# Altium PCB XMS0004.PcbDoc (part 3 of 5)
Units mm, origin at the board's own origin, x right, y up, seen from the top; angles counter-clockwise.
Board outline 160 x 130 mm, 4 copper layers (Layer 1 (Top), Layer 2 (GND), Layer 3 (PWR), Layer 4 (Bottom)), stack 1.564 mm thick; 490 components, 328 nets, 1713 pads, 922 vias.
Unrouted connection lines stored in the file: 5.
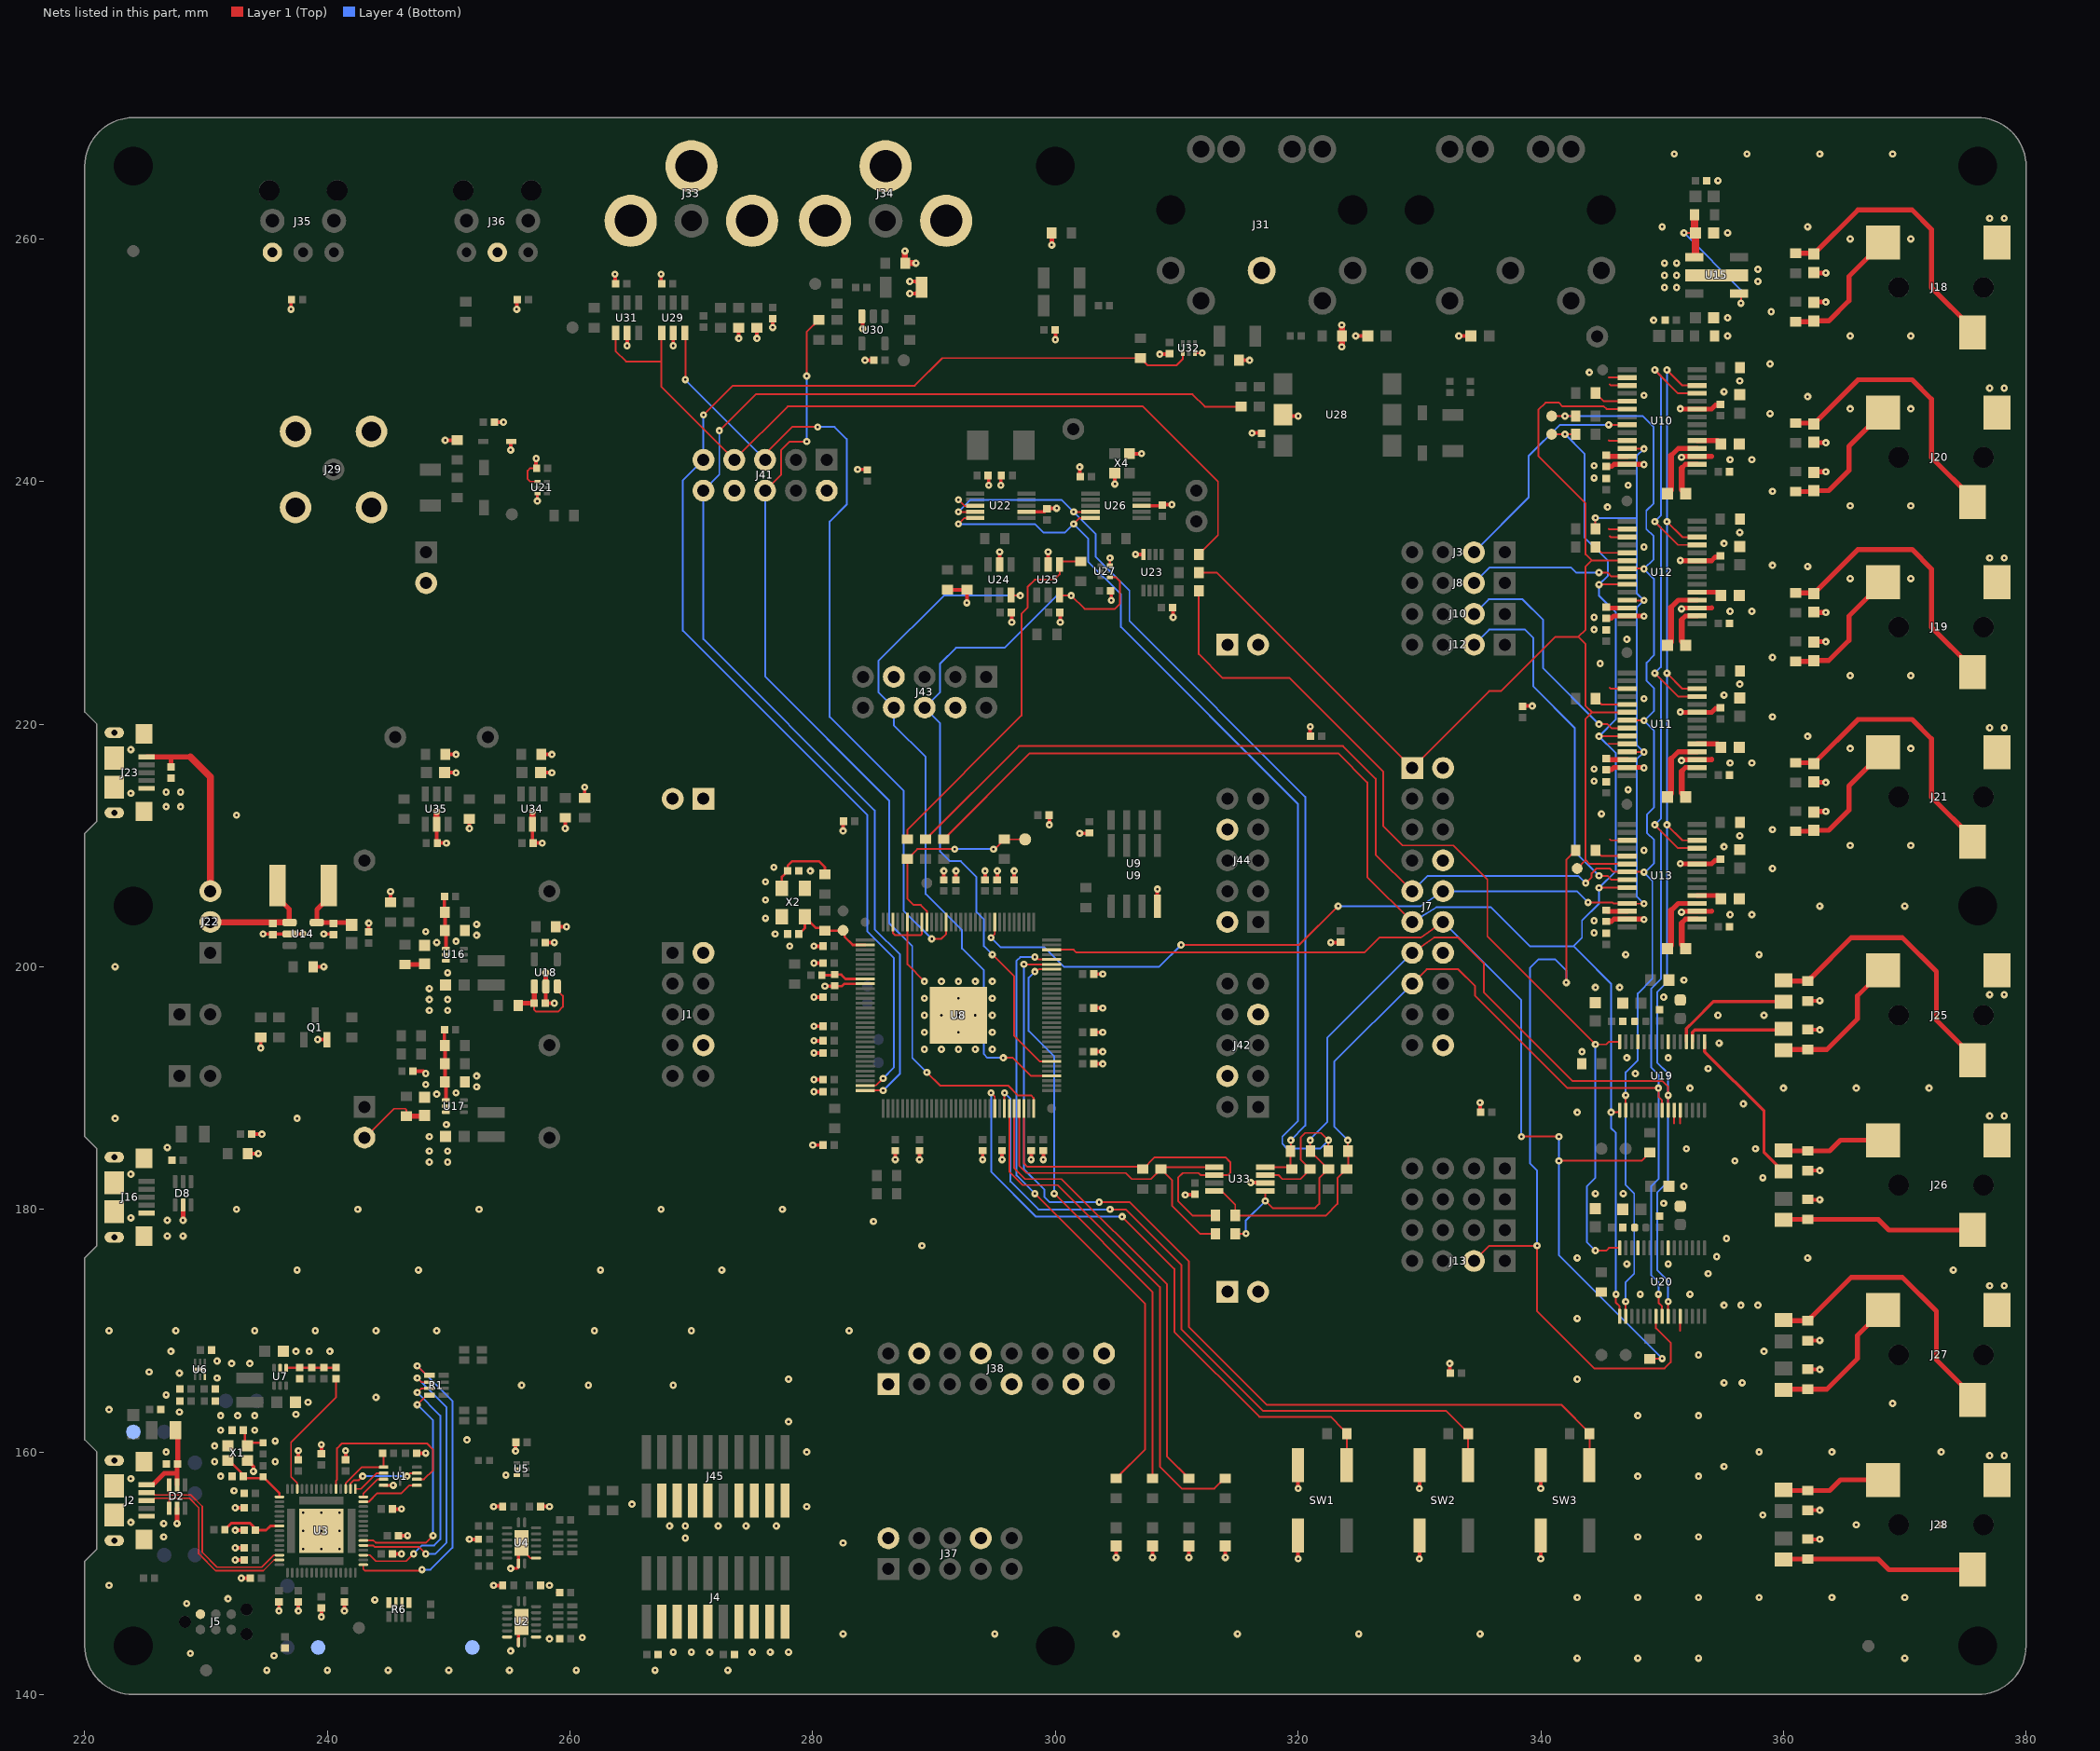
[diagram p5: the nets of this part, all layers, seen from the top]

## Via types
v1: diameter 0.6, hole 0.2, Layer 1 (Top) to Layer 4 (Bottom), 922 vias

## Nets (pads, with @x,y where several pads share a name; then routed paths per layer and width w, separated by ;. In a path a pad name is that pad's centre, name@x,y a point inside that pad or via, vN(x,y) a via of type N, cw(c..) or ccw(c..) an arc to the next point about the centre after c; other vN are vias at no path point) (continued)
ADC_D3: J13.2 R32.2 U20.22 | length 67.6
  Layer 1 (Top) w0.15: J13.2@334.49,175.75 335.74,177 v1(339.7,177) 339.7,171.6 344.4,166.9 350.2,166.9 350.7,167.4 350.7,169 349.5,170.2 U20.22@349.5,171.18 ; v1(342.1,198.7) 342.1,208.82 R32.2@342.88,209.6
  Layer 4 (Bottom) w0.15: v1(339.7,177) 339.7,183.2 339.1,183.8 339.1,199.9 339.8,200.6 341.2,200.6 342.1,199.7 v1(342.1,198.7)
ADC_GPIO: J7.12 R80.1 R86.1 U8.126 | length 87.4
  Layer 1 (Top) w0.15: U8.126@299.68,201.4 301.5,201.4 301.7,201.2 325.5,201.2 326.7,202.4 330.1,202.4 J7.12@331.95,203.69 ; v1(338.4,186) v1(341.5,186) ; v1(341.5,184) 348.32,184 R80.1@349,184.68 R80.1@349.02,184.7 ; R86.1@349,167.68 349.02,167.7 v1(350,167.7)
  Layer 4 (Bottom) w0.15: J7.12@331.95,203.69 338.4,197.24 v1(338.4,186) ; v1(341.5,186) v1(341.5,184) 341.5,176.2 v1(350,167.7)
AIN1: C120.1 J25.2 R78.2 | length 12
  Layer 1 (Top) w0.4: C120.1@360,193.125 360.055,193.18 R78.2@362,193.18 363.58,193.18 366.1,195.7 366.1,197.6 J25.2@368.2,199.7
AIN2: C121.1 J25.3 R79.2 | length 23.8
  Layer 1 (Top) w0.4: C121.1@360,198.875 360.055,198.82 R79.2@362,198.82 362.07,198.82 362.265,199.015 362.265,199.085 365.58,202.4 369.8,202.4 372.6,199.6 372.6,195.6 374.7,193.5 375.6,192.6 J25.3@375.6,192.3
AIN3: C126.1 J26.2 R81.2 | length 8.6
  Layer 1 (Top) w0.4: C126.1@360,184.875 360.055,184.82 R81.2@362,184.82 363.82,184.82 364.7,185.7 J26.2@368.2,185.7
AIN4: C127.1 J26.3 R82.2 | length 16
  Layer 1 (Top) w0.4: C127.1@360,179.125 360.055,179.18 R82.2@362,179.18 367.82,179.18 368.7,178.3 J26.3@375.6,178.3
AIN5: C130.1 J27.2 R84.2 | length 12
  Layer 1 (Top) w0.4: C130.1@360,165.125 360.055,165.18 R84.2@362,165.18 363.58,165.18 366.1,167.7 366.1,169.6 J27.2@368.2,171.7
AIN6: C131.1 J27.3 R85.2 | length 23.8
  Layer 1 (Top) w0.4: C131.1@360,170.875 360.055,170.82 R85.2@362,170.82 362.07,170.82 362.265,171.015 362.265,171.085 365.58,174.4 369.8,174.4 372.6,171.6 372.6,167.6 374.7,165.5 375.6,164.6 J27.3@375.6,164.3
AIN7: C136.1 J28.2 R87.2 | length 8.6
  Layer 1 (Top) w0.4: C136.1@360,156.875 360.055,156.82 R87.2@362,156.82 363.82,156.82 364.7,157.7 J28.2@368.2,157.7
AIN8: C137.1 J28.3 R88.2 | length 16
  Layer 1 (Top) w0.4: C137.1@360,151.125 360.055,151.18 R88.2@362,151.18 367.82,151.18 368.7,150.3 J28.3@375.6,150.3
AOUT1: C65.1 J18.2 R49.2 | length 11.1
  Layer 1 (Top) w0.3: C65.1@362.435,253.18 C65.1@362.5,253.245
  Layer 1 (Top) w0.4: R49.2@361,253.18 C65.1@362.435,253.18 ; C65.1@362.5,253.245 363.745,253.245 365.4,254.9 365.4,256.9 J18.2@368.2,259.7
AOUT2: C66.1 J18.3 R51.2 | length 23.3
  Layer 1 (Top) w0.4: R51.2@361,258.82 362.435,258.82 C66.1@362.5,258.755 366.145,262.4 370.6,262.4 372.2,260.8 372.2,256 375.6,252.6 J18.3@375.6,252.3
AOUT3: C83.1 J20.2 R55.2 | length 11.1
  Layer 1 (Top) w0.3: C83.1@362.435,239.18 C83.1@362.5,239.245
  Layer 1 (Top) w0.4: R55.2@361,239.18 C83.1@362.435,239.18 ; C83.1@362.5,239.245 363.745,239.245 365.4,240.9 365.4,242.9 J20.2@368.2,245.7
AOUT4: C84.1 J20.3 R57.2 | length 23.3
  Layer 1 (Top) w0.4: R57.2@361,244.82 362.435,244.82 C84.1@362.5,244.755 366.145,248.4 370.6,248.4 372.2,246.8 372.2,242 375.6,238.6 J20.3@375.6,238.3
AOUT5: C67.1 J19.2 R50.2 | length 11.1
  Layer 1 (Top) w0.3: C67.1@362.435,225.18 C67.1@362.5,225.245
  Layer 1 (Top) w0.4: R50.2@361,225.18 C67.1@362.435,225.18 ; C67.1@362.5,225.245 363.745,225.245 365.4,226.9 365.4,228.9 J19.2@368.2,231.7
AOUT6: C68.1 J19.3 R52.2 | length 23.3
  Layer 1 (Top) w0.4: R52.2@361,230.82 362.435,230.82 C68.1@362.5,230.755 366.145,234.4 370.6,234.4 372.2,232.8 372.2,228 375.6,224.6 J19.3@375.6,224.3
AOUT7: C85.1 J21.2 R56.2 | length 11.1
  Layer 1 (Top) w0.3: C85.1@362.435,211.18 C85.1@362.5,211.245
  Layer 1 (Top) w0.4: R56.2@361,211.18 C85.1@362.435,211.18 ; C85.1@362.5,211.245 363.745,211.245 365.4,212.9 365.4,214.9 J21.2@368.2,217.7
AOUT8: C86.1 J21.3 R58.2 | length 23.3
  Layer 1 (Top) w0.4: R58.2@361,216.82 362.435,216.82 C86.1@362.5,216.755 366.145,220.4 370.6,220.4 372.2,218.8 372.2,214 375.6,210.6 J21.3@375.6,210.3
BCLK: J7.9 R13.2 R125.1 TP36.1 U11.21 U12.21 U13.21 U19.17 U20.17 | length 164.5
  Layer 1 (Top) w0.15: R13.2@289.3,210.52 296.98,218.2 323.7,218.2 326.4,215.5 326.4,209.24 J7.9@329.41,206.23 ; TP36.1@340.9,245.4 v1(342,245.4) R125.1@342.88,245.4 ; v1(343.7,206.9) 344.2,207.4 344.2,207.7 344.6,208.1 345.7,208.1 345.975,207.825 U13.21@347.12,207.825 348.475,207.825 v1(348.5,207.8) ; U20.17@347,171.18 v1(347,172.4) ; U19.17@347,188.18 v1(347,189.4) ; U11.21@347.12,220.325 348.475,220.325 v1(348.5,220.3) ; U12.21@347.12,232.825 348.475,232.825 v1(348.5,232.8)
  Layer 4 (Bottom) w0.15: J7.9@329.41,206.23 330.68,207.5 343.1,207.5 v1(343.7,206.9) ; v1(342,245.4) 348.4,245.4 349.3,244.5 349.3,238.2 348.7,237.6 348.7,236.1 349.3,235.5 349.3,233.6 v1(348.5,232.8) ; v1(347,172.4) 347,174 347.7,174.7 347.7,181.3 347,182 v1(347,189.4) 347,191.3 348,192.3 348,197.8 349.2,199 349.2,207.1 v1@348.55,207.75 ; v1(348.5,207.8) v1@348.55,207.75 ; v1@348.525,220.275 349.325,221.075 349.325,222.975 348.725,223.575 348.725,225.075 349.325,225.675 349.325,231.975 v1@348.525,232.775 ; v1@348.55,220.25 349.35,219.45 349.35,213.15 348.75,212.55 348.75,211.05 349.35,210.45 349.35,208.55 v1@348.55,207.75
BUT_0: R23.1 SW1.1A U8.88 | length 51.9
  Layer 1 (Top) w0.15: v1(294.7,189.6) 295,189.3 U8.88@295,188.32 ; v1(305.5,179.4) 309.8,175.1 309.8,169.9 316.8,162.9 322.69,162.9 323.7,161.89 324.02,161.57 324.02,158.92 SW1.1A@324,158.9
  Layer 4 (Bottom) w0.15: v1(294.7,189.6) 294.7,183.1 298.4,179.4 v1(305.5,179.4)
BUT_1: R37.1 SW2.1A U8.90 | length 60.9
  Layer 1 (Top) w0.15: U8.90@295.8,188.32 v1(295.8,189.6) ; v1(304.5,180) 305.8,180 310.4,175.4 310.4,170.1 317.1,163.4 332.19,163.4 334.02,161.57 334.02,158.92 SW2.1A@334,158.9
  Layer 4 (Bottom) w0.15: v1(295.8,189.6) 296.3,189.1 296.3,182.3 298.6,180 v1(304.5,180)
BUT_2: R119.1 SW3.1A U8.123 | length 81
  Layer 1 (Top) w0.15: v1(297.4,200.2) U8.123@299.68,200.2 ; v1(303.6,180.6) 306.1,180.6 311,175.7 311,170.3 317.4,163.9 341.69,163.9 344.02,161.57 R119.1@344.02,161.5 344.02,158.92 SW3.1A@344,158.9
  Layer 4 (Bottom) w0.15: v1(297.4,200.2) 297.4,183.3 299.1,181.6 299.1,181 299.5,180.6 v1(303.6,180.6)
COAX_RX: J41.6 R111.2 U8.96 | length 80.8
  Layer 1 (Top) w0.15: J41.6@276.07,239.25 277.4,240.58 277.4,242.6 278.1,243.3 v1(279.5,243.3) ; v1(279.5,248.7) 279.5,252.32 R111.2@280.5,253.32 ; v1(289.4,191.3) 290.5,190.2 296.1,190.2 296.9,189.4 298,189.4 298.2,189.2 U8.96@298.2,188.32 U8.96@298.174,188.346
  Layer 4 (Bottom) w0.15: J41.6@276.07,239.25 276.07,223.93 286.3,213.7 286.3,203.6 288.2,201.7 288.2,192.5 v1(289.4,191.3) ; v1(279.5,243.3) v1(279.5,248.7)
COAX_TX: J41.5 U8.19 U29.3 | length 69.3
  Layer 1 (Top) w0.15: U29.3@269.45,252.245 269.5,252.195 v1(269.5,248.4) ; J41.5@276.07,241.79 276.07,242.27 278.3,244.5 v1(280.4,244.5) ; v1(289.8,202.3) 290.6,202.3 291,202.7 U8.19@291,203.68
  Layer 4 (Bottom) w0.15: v1(269.5,248.4) 269.5,248.36 J41.5@276.07,241.79 ; v1(280.4,244.5) 281.8,244.5 282.8,243.5 282.8,238.1 281.4,236.7 281.4,220.6 287.5,214.5 287.5,204.6 v1(289.8,202.3)
DAC_D0: J3.2 U10.22 | length 19
  Layer 1 (Top) w0.15: v1(345.6,244.675) U10.22@347.12,244.675
  Layer 4 (Bottom) w0.15: J3.2@334.49,234.17 339,238.68 339,242.1 341.575,244.675 v1(345.6,244.675)
DAC_D1: J8.2 U12.22 | length 13.5
  Layer 1 (Top) w0.15: v1(344.8,232.5) 345.5,232.5 345.825,232.175 U12.22@347.12,232.175
  Layer 4 (Bottom) w0.15: J8.2@334.49,231.63 335.76,232.9 342.5,232.9 342.9,232.5 v1(344.8,232.5)
DAC_D2: J10.2 U11.22 | length 19.9
  Layer 1 (Top) w0.15: v1(344.8,220) 345.5,220 345.825,219.675 U11.22@347.12,219.675
  Layer 4 (Bottom) w0.15: J10.2@334.49,229.09 335.7,230.3 338.5,230.3 340.2,228.6 340.2,224.6 v1(344.8,220)
DAC_D3: J12.2 U13.22 | length 30
  Layer 1 (Top) w0.15: v1(344.8,207.5) 345.5,207.5 345.825,207.175 U13.22@347.12,207.175
  Layer 4 (Bottom) w0.15: J12.2@334.49,226.55 335.74,227.8 338.7,227.8 339.4,227.1 339.4,223.1 342.8,219.7 342.8,209.5 v1(344.8,207.5)
DAC_MUTE_N: J7.10 R59.1 U8.9 U10.25 U11.25 U12.25 U13.25 | length 106.5
  Layer 1 (Top) w0.15: v1(294.7,202.4) 295,202.7 U8.9@295,203.68 ; v1(310.352,201.8) 320.1,201.8 v1(323.3,205) ; v1(343.9,205.3) 345.9,205.3 345.975,205.225 U13.25@347.12,205.225 347.145,205.2 v1(348.5,205.2) ; v1(344.5,237) 344.5,236.12 R59.1@344.52,236.1 ; U11.25@347.12,217.725 347.145,217.7 v1(348.5,217.7) ; U12.25@347.12,230.225 347.145,230.2 v1(348.5,230.2) ; U10.25@347.12,242.725 347.145,242.7 v1(348.5,242.7)
  Layer 4 (Bottom) w0.15: v1(294.7,202.4) 295.5,201.6 299.1,201.6 300.7,200 308.552,200 v1(310.352,201.8) ; v1(323.3,205) 330.1,205 J7.10@331.95,206.23 342.97,206.23 v1(343.9,205.3) ; v1(344.5,237) 347.9,237 ; v1(348.5,205.2) 347.9,205.8 347.9,217.1 v1(348.5,217.7) 347.9,218.3 347.9,229.6 v1(348.5,230.2) 347.9,230.8 347.9,237 ; v1(348.5,242.7) 347.9,242.1 347.9,237
DBG_MARGIN: R31.1 U3.13 | length 10.8
  Layer 1 (Top) w0.15: U3.13@237.5,156.955 237.5,157.45 237,157.95 237,160.8 240.7,164.5 R31.1@240.7,166.045
DBG_QSPI_CLK: U1.6 U3.5 | length 15
  Layer 1 (Top) w0.15: U3.5@240.7,156.955 240.7,157.625 240.8,157.725 240.8,160.3 241.2,160.7 248.2,160.7 248.7,160.2 248.7,158.5 247.95,157.75 U1.6@247.37,157.75
DBG_QSPI_CS_N: R2.1 U1.1 U3.3 | length 5.3
  Layer 1 (Top) w0.15: U3.3@241.5,156.955 241.5,157.425 242.825,158.75 U1.1@244.63,158.75 244.63,159.815 R2.1@244.545,159.9
DBG_QSPI_D0: U1.5 U3.59 | length 5
  Layer 1 (Top) w0.15: U3.59@242.955,155.9 243.4,155.9 244.1,156.6 246.1,156.6 246.75,157.25 U1.5@247.37,157.25
DBG_QSPI_D1: U1.2 U3.1 | length 2.9
  Layer 1 (Top) w0.15: U3.1@242.3,156.955 242.755,156.955 244.05,158.25 U1.2@244.63,158.25
DBG_QSPI_D2: U1.3 U3.60 | length 2.4
  Layer 1 (Top) w0.15: U3.60@242.955,156.3 242.955,156.555 244.15,157.75 U1.3@244.63,157.75
DBG_QSPI_D3: U1.7 U3.2 | length 6.3
  Layer 1 (Top) w0.15: U3.2@241.9,156.955 241.9,157.4 242.15,157.65 242.55,157.65 v1(242.9,158) ; v1(246.55,158) 246.8,158.25 U1.7@247.37,158.25
  Layer 4 (Bottom) w0.15: v1(242.9,158) v1(246.55,158)
DBG_USB_D_N: D2.6 J2.2 U3.28 | length 17
  Layer 1 (Top) w0.13: J2.2@225.1,156.65 225.6,156.65 225.785,156.465 226.95,156.465 ; D2.6@226.95,157.29 226.95,156.465 ; U3.28@236.045,151.5 235.575,151.5 234.575,150.5 230.9,150.5 229.68,151.72 229.68,155.516 228.731,156.465 226.95,156.465
DBG_USB_D_P: D2.1 J2.3 U3.29 | length 16.9
  Layer 1 (Top) w0.13: J2.3@225.1,156 225.6,156 225.785,156.185 226.95,156.185 ; D2.1@226.95,155.36 226.95,156.185 ; U3.29@236.045,151.1 235.6,151.1 234.72,150.22 230.784,150.22 229.4,151.604 229.4,155.4 228.615,156.185 226.95,156.185
DBG_VBUS: C2.1 D2.5 F1.1 J2.1 | length 7.5
  Layer 1 (Top) w0.3: J2.1@225.1,157.3 J2.1@225.6,157.3 ; C2.1@227.6,158.84 C2.1@227.7,158.94
  Layer 1 (Top) w0.4: J2.1@225.6,157.3 226.55,158.25 227.6,158.25 ; F1.1@227.485,161.8 227.66,161.625 C2.1@227.66,159 ; D2.5@227.6,157.29 227.6,158.25 ; C2.1@227.6,158.84 227.6,158.25
EXT_PLL_SEL: J43.8 U8.100 U24.6 | length 57
  Layer 1 (Top) w0.15: v1(295.7,192.5) 296.5,192.5 298,191 U8.100@299.68,191 ; U24.6@296.35,230.645 296.395,230.6 v1(297.1,230.6)
  Layer 4 (Bottom) w0.15: v1(295.7,192.5) 294.4,192.5 294.1,192.8 294.1,199.7 292.3,201.5 292.3,203 289.3,206 289.3,217.3 286.68,219.92 J43.8@286.68,221.36 285.4,222.64 285.4,225.2 290.8,230.6 v1(297.1,230.6)
GND: C1.2 C2.2 C3.2 C4.2 C5.2 C6.2 C7.2 C8.2 C9.2 C10.2 C11.2 C12.2 C13.2 C14.2 C15.2 C16.2 C17.2 C18.2 C19.2 C20.2 C21.2 C22.2 C23.2 C24.2 C25.2 C26.2 C27.2 C28.2 C29.2 C30.2 C31.2 C32.2 C33.2 C34.2 C35.2 C36.2 C38.2 C39.2 C40.2 C41.2 C42.2 C43.2 C44.2 C45.2 C46.2 C47.2 C48.2 C49.2 C50.2 C51.2 C52.2 C53.2 C54.2 C55.2 C56.2 C57.2 C58.2 C59.2 C60.2 C61.2 C62.2 C63.2 C64.2 C65.2 C66.2 C67.2 C68.2 C71.2 C72.2 C73.2 C74.2 C75.2 C76.2 C77.2 C78.2 C79.2 C80.2 C81.2 C82.2 C83.2 C84.2 C85.2 C86.2 C89.2 C90.2 C91.2 C92.2 C93.2 C94.2 C95.2 C96.2 C97.2 C98.2 C99.2 C100.2 C101.2 C102.2 C103.2 C104.2 C105.2 C106.2 C107.2 C108.2 C109.2 C111.2 C112.2 C113.2 C114.2 C115.2 C117.2 C118.2 C119.2 C122.2 C123.2 C124.2 C125.2 C128.2 C129.2 C132.2 C133.2 C134.2 C135.2 C138.2 C139.2 C140.2 C141.2 C142.2 C143.2 C144.2 C145.2 C146.2 C147.2 C148.2 C149.2 C150.2 C151.2 C152.2 C153.2 C156.2 C157.2 C158.2 C159.2 C160.2 C161.2 C162.2 C163.2 C164.2 C165.2 C166.2 C167.2 C168.2 C169.2 C170.2 C171.2 C172.2 C173.2 C174.2 C175.2 C176.2 C177.2 C178.2 D2.2 D4.1 D5.1 D6.1 D7.1 D8.2 D11.1 D12.1 D13.2 J1.2 J1.8 J2.5 J2.S1 J2.S2 J2.S3 J2.S4 J2.S5 J2.S6 J4.3 J4.5 J4.7 J4.9 J4.13 J4.15 J4.17 J4.19 J5.2 J7.2 J7.8 J7.14 J7.20 J16.5 J16.S1 J16.S2 J16.S3 J16.S4 J16.S5 J16.S6 J17.1 J17.2 J18.1 J19.1 J20.1 J21.1 J23.5 J23.S1 J23.S2 J23.S3 J23.S4 J23.S5 J23.S6 J25.1 J26.1 J27.1 J28.1 J29.2 J30.2 J31.2 J33.2 J34.2 J35.1 J36.2 J37.2 J37.8 J38.1 J38.4 J38.8 J38.9 J38.13 J38.16 J39.1 J39.2 J40.1 J40.2 J41.2 J41.8 J42.4 J42.7 J43.4 J43.7 J44.2 J44.8 J45.3 J45.5 J45.7 J45.9 J45.13 J45.15 J45.17 J45.19 Q1.2 R4.1 R5.1 R6.1 R6.2 R6.3 R6.4 R15.1 R17.1 R26.1 R28.1 R30.1 R46.1 R48.1 R53.1 R54.1 R60.1 R61.1 R63.1 R64.1 R69.1 R70.1 R71.1 R76.1 R77.1 R78.1 R79.1 R81.1 R82.1 R83.2 R84.1 R85.1 R87.1 R88.1 R89.2 R105.1 R112.1 R113.1 R114.1 R121.1 R135.1 R136.1 R137.1 R138.1 R142.1 R143.1 SW1.2A SW1.2B SW2.2A SW2.2B SW3.2A SW3.2B TP13.1 TP14.1 TP15.1 U1.4 U2.7 U2.8 U2.10 U2.17 U3.65 U4.8 U4.10 U4.17 U5.2 U5.3 U6.3 U6.7 U7.2 U8.24 U8.27 U8.30 U8.42 U8.129 U9.4 U10.3 U10.9 U10.16 U10.17 U10.24 U10.27 U11.3 U11.9 U11.17 U11.24 U11.27 U12.3 U12.9 U12.16 U12.17 U12.27 U13.3 U13.9 U13.17 U13.27 U14.2 U15.2 U16.2 U17.2 U18.2 U19.7 U19.12 U19.25 U19.26 U20.7 U20.12 U20.26 U21.1 U21.3 U22.2 U22.8 U23.4 U24.2 U25.2 U26.8 U27.3 U28.5 U29.2 U30.3 U31.2 U32.3 U33.6 U34.2 U35.2 X1.2 X1.4 X2.2 X2.4 X4.2 X4.4 | length 231.5
  Layer 1 (Top) w0.15: U4.17@256,152 256.6,151.4 256.75,151.25 U4.10@257.195,151.25 ; C140.2@257.24,241.1 256.7,241.1 256.5,240.9 256.5,240.2 256.7,240 U21.1@257.315,240 ; U8.30@286.6,203.68 286.6,202.8 286.8,202.6 287.85,202.6 ; 287.8,202.6 287.8,200.2 v1(289.2,198.8) ; U8.27@287.8,203.68 287.8,202.65 287.85,202.6 ; U8.24@289,203.68 289,202.7 288.9,202.6 287.85,202.6 ; v1(292,238.5) 292.5,238 U22.8@293.395,238 ; 345.6,218.4 345.625,218.375 U11.24@347.12,218.375 ; 345.6,236.1 345.625,236.075 U12.16@347.12,236.075 ; 345.6,243.4 345.625,243.375 U10.24@347.12,243.375 ; 345.6,248.6 345.625,248.575 U10.16@347.12,248.575 ; 345.7,210.5 345.775,210.425 U13.17@347.12,210.425 ; 345.7,223 345.775,222.925 U11.17@347.12,222.925 ; 345.7,235.5 345.775,235.425 U12.17@347.12,235.425 ; 345.7,248 345.775,247.925 U10.17@347.12,247.925 ; 351,187.1 U19.25@351,188.18 ; 351.5,170 U20.26@351.5,171.18 ; 351.5,187.1 U19.26@351.5,188.18
  Layer 1 (Top) w0.2: C16.2@254.4,149.04 C16.2@254.44,149 ; C17.2@254.4,155.54 C17.2@254.44,155.5 ; v1(257.3,238.4) 257.3,238.985 U21.3@257.315,239 ; C6.2@281.8,198.44 281.84,198.4 282.4,198.4 282.6,198.6 U8.42@284.32,198.6 ; U27.3@304.485,233.1 304.485,233.685 v1(304.5,233.7) ; U32.3@311.5,250.615 312.085,250.615 v1(312.1,250.6)
  Layer 1 (Top) w0.25: U1.4@244.63,157.25 v1(245.425,157.25) ; v1(255.1,150.4) 255.6,150.4 255.75,150.55 U4.8@255.75,150.805 U4.17@255.75,152.5 ; U2.8@255.75,144.05 U2.8@255.75,144.305 255.75,146 U2.17@256,146 ; C133.2@349.8,179.46 C133.2@349.81,179.46 ; C123.2@349.8,196.46 C123.2@349.81,196.46
  Layer 1 (Top) w0.3: v1(232.4,151.1) C21.2@233.14,151.1 ; v1(232.4,152.1) C34.2@233.14,152.1 ; v1(232.4,153.55) C5.2@233.14,153.55 ; v1(232.4,155.4) C27.2@233.14,155.4 ; v1(232.9,149.6) 233.56,149.6 233.6,149.56 C35.2@233.64,149.6 ; X1.2@233.405,159.295 233.9,158.8 v1(233.9,158.4) ; R48.1@233.42,184.6 v1(234.3,184.6) ; C64.2@233.76,186.2 v1(234.6,186.2) ; v1(234.5,193.3) R46.1@234.5,194.18 ; v1(234.7,202.7) U14.2@236.88,202.7 v1(238,202.7) ; v1(236,146.9) 236,147.56 235.96,147.6 C32.2@236,147.64 ; C36.2@236.1,168.045 C36.2@236.355,168.3 ; v1(237,254.2) C159.2@237,254.96 ; v1(237.6,146.9) C25.2@237.6,147.64 ; C24.2@237.6,159.36 v1(237.6,160.1) ; R15.1@238.82,200 v1(239.7,200) ; v1(239.2,194) 239.935,194 Q1.2@239.95,193.985 ; v1(239.5,146.4) C33.2@239.5,147.14 ; C29.2@239.5,159.86 v1(239.5,160.6) ; v1(239.7,202.7) 240.44,202.7 C102.2@240.5,202.64 ; v1(241.4,146.9) C28.2@241.4,147.64 ; C22.2@241.5,159.36 v1(241.5,160.1) ; C103.2@243.4,202.86 v1(243.4,203.6) ; R137.1@245.2,205.32 v1(245.2,206.2) ; C23.2@245.36,151.6 v1(246.1,151.6) ; C26.2@245.36,155.3 v1(246.1,155.3) ; C30.2@245.86,153.1 v1(246.6,153.1) ; C114.2@247.06,191.4 247.9,191.4 v1(248.1,191.2) ; C1.2@247.36,159.9 247.3,159.96 247.34,160 247.44,159.9 v1(248.1,159.9) ; U35.2@249,211.745 249,210.26 C176.2@249.06,210.2 v1(249.8,210.2) ; C178.2@249.655,216 v1(250.6,216) ; v1(249.7,243.4) 250.68,243.4 R138.1@250.7,243.42 ; R142.1@249.72,217.5 v1(250.6,217.5) ; v1(251.7,152.8) R17.1@252.445,152.8 ; v1(251.7,211.4) R143.1@251.7,212.28 ; v1(253.7,149) 254.36,149 C16.2@254.4,149.04 ; v1(253.7,155.5) 254.36,155.5 C17.2@254.4,155.54 ; C174.2@253.76,244.9 v1(254.5,244.9) ; v1(255.1,242.6) 255.1,243.26 D13.2@255.14,243.3 ; v1(255.5,160.075) 255.5,160.76 C18.2@255.54,160.8 ; v1(255.6,254.2) C160.2@255.6,254.96 ; U34.2@256.9,211.745 256.9,210.26 C112.2@256.96,210.2 v1(257.7,210.2) ; C140.2@257.2,241.14 v1(257.2,241.9) ; C113.2@257.555,216 v1(258.5,216) ; C19.2@257.56,149 257.6,149.04 C19.2@257.64,149 ; C20.2@257.56,155.5 257.6,155.54 257.64,155.5 v1(258.3,155.5) ; R69.1@257.62,217.5 v1(258.5,217.5) ; C119.2@257.96,202 v1(258.7,202) ; U18.2@258,198.38 258,197.04 C118.2@257.96,197 v1(258.7,197) ; R77.1@258.72,203.3 v1(259.7,203.3) ; R5.1@259,148.4 R5.1@259.145,148.4 ; v1(259.6,211.4) R71.1@259.6,212.28 ; R64.1@261.2,213.92 v1(261.2,214.8) ; C158.2@263.7,256.34 v1(263.7,257.1) ; v1(264.7,251.2) U31.2@264.7,252.535 ; C157.2@267.5,256.34 v1(267.5,257.1) ; v1(268.5,251.2) U29.2@268.5,252.535 ; v1(273.9,251.8) R114.1@273.9,252.68 ; v1(275.4,251.8) R113.1@275.4,252.68 ; v1(276.7,252.7) C156.2@276.7,253.44 ; v1(280,185.3) C177.2@280.84,185.3 ; v1(280.1,189.7) C7.2@280.84,189.7 ; v1(280.1,190.7) C8.2@280.84,190.7 ; v1(280.1,192.9) C59.2@280.84,192.9 ; v1(280.1,193.9) C50.2@280.84,193.9 ; v1(280.1,195.1) C49.2@280.84,195.1 ; v1(280.1,197.5) C48.2@280.84,197.5 ; v1(280.1,200.3) C47.2@280.84,200.3 ; v1(280.1,201.7) C58.2@280.84,201.7 ; v1(281,198.4) 281.001,198.401 281.761,198.401 C6.2@281.8,198.44 ; v1(282.5,211.2) C168.2@282.5,211.96 ; v1(283.7,241) C171.2@284.46,241 ; U30.3@284.05,253.62 284.1,253.57 v1(284.1,252.6) ; v1(284.3,250) C153.2@285.04,250 ; v1(286.8,184.1) C51.2@286.8,184.84 ; v1(288,255.5) 288.48,255.5 R112.1@288.98,256 288.48,256.5 v1(288,256.5) ; v1(288.8,184.1) C52.2@288.8,184.84 ; C46.2@290.8,207.16 v1(290.8,207.9) ; R136.1@291.1,231.08 R135.1@292.7,231.08 v1(292.7,230) ; C57.2@291.8,207.16 v1(291.8,207.9) ; v1(294,184.1) C10.2@294,184.84 ; C44.2@294.2,207.16 v1(294.2,207.9) ; C144.2@294.46,240.5 294.5,240.46 v1(294.5,239.7) ; C56.2@295.2,207.16 v1(295.2,207.9) ; U24.2@295.4,232.865 v1(295.4,234.2) ; v1(295.5,239.7) 295.5,240.46 C145.2@295.54,240.5 ; v1(295.6,184.1) C53.2@295.6,184.84 ; C146.2@296.36,229.2 296.4,229.16 v1(296.4,228.4) ; C43.2@296.6,207.16 v1(296.6,207.9) ; U22.2@297.605,237.5 299.04,237.5 C147.2@299.3,237.76 299.34,237.8 v1(300.1,237.8) ; v1(298,184.1) C39.2@298,184.84 ; v1(299,184.1) C9.2@299,184.84 ; U25.2@299.4,232.865 v1(299.4,234.2) ; v1(299.5,211.7) C167.2@299.5,212.46 ; v1(300,251.7) C151.2@300,252.46 ; C143.2@300.36,229.2 300.4,229.16 v1(300.4,228.4) ; v1(302,211) C62.2@302.76,211 ; v1(302,241.2) 302,240.44 C163.2@302.04,240.4 C163.2@302.1,240.34 ; C41.2@303.16,192 v1(303.9,192) ; C40.2@303.16,193 v1(303.9,193) ; C54.2@303.16,194.6 v1(303.9,194.6) ; C42.2@303.16,196.6 v1(303.9,196.6) ; C55.2@303.16,199.4 v1(303.9,199.4) ; C141.2@304.56,231 304.6,230.96 v1(304.6,230.2) ; X4.2@304.895,240.695 304.9,240.69 v1(304.9,239.8) ; v1(305,151.3) D4.1@305,152.24 ; X4.4@306.105,242.305 306.11,242.3 v1(307.1,242.3) ; v1(306.6,234) 307.24,234 U23.4@307.25,233.99 ; U26.8@307.105,238 308.74,238 C148.2@308.8,238.06 308.84,238.1 v1(309.6,238.1) ; v1(308,151.3) D5.1@308,152.24 ; v1(308.4,206.4) 308.4,204.9 U9.4@308.405,204.895 ; v1(308.6,250.5) C45.2@309.36,250.5 ; C142.2@309.66,229.6 309.7,229.56 v1(309.7,228.8) ; v1(310.7,181.2) C175.2@311.46,181.2 ; v1(311,151.3) D6.1@311,152.24 ; v1(314,151.3) D7.1@314,152.24 ; R121.1@315.12,250 v1(316,250) ; v1(316.1,182.2) 317.28,182.2 U33.6@317.305,182.175 ; v1(316.2,244) 316.96,244 C149.2@317,243.96 ; U28.5@318.75,245.5 318.85,245.4 v1(320,245.4) ; v1(320,151.2) SW1.2B@320,153.1 ; v1(320,157) SW1.2A@320,158.9 ; C172.2@321,219.04 v1(321,219.8) ; v1(322.7,202) C173.2@323.46,202 ; v1(324.75,252) C152.2@325.745,252 ; v1(330,151.2) SW2.2B@330,153.1 ; v1(330,157) SW2.2A@330,158.9 ; C169.2@332.5,166.54 v1(332.5,167.3) ; v1(333.25,252) C150.2@334.245,252 ; C170.2@335,188.04 v1(335,188.8) ; C166.2@338.54,221.5 v1(339.3,221.5) ; v1(340,151.2) SW3.2B@340,153.1 ; v1(340,157) SW3.2A@340,158.9 ; C106.2@350.2,253.34 C106.2@350.24,253.3 ; U13.3@352.83,204.575 352.855,204.55 U13.3@352.88,204.575 ; U11.3@352.83,217.075 352.855,217.05 U11.3@352.88,217.075 ; U12.3@352.83,229.575 352.855,229.55 U12.3@352.88,229.575 ; U10.3@352.83,242.075 352.855,242.05 U10.3@352.88,242.075 ; R87.1@362,155.18 362.02,155.2 v1(363,155.2) ; R85.1@362,169.18 362.02,169.2 v1(363,169.2) ; R81.1@362,183.18 362.02,183.2 v1(363,183.2) ; R79.1@362,197.18 362.02,197.2 v1(363,197.2) ; R88.1@362.02,152.8 v1(363,152.8) ; R84.1@362.02,166.8 v1(363,166.8) ; R82.1@362.02,180.8 v1(363,180.8) ; R78.1@362.02,194.8 v1(363,194.8)